# Allegro board 08_041351d.brd (continued)
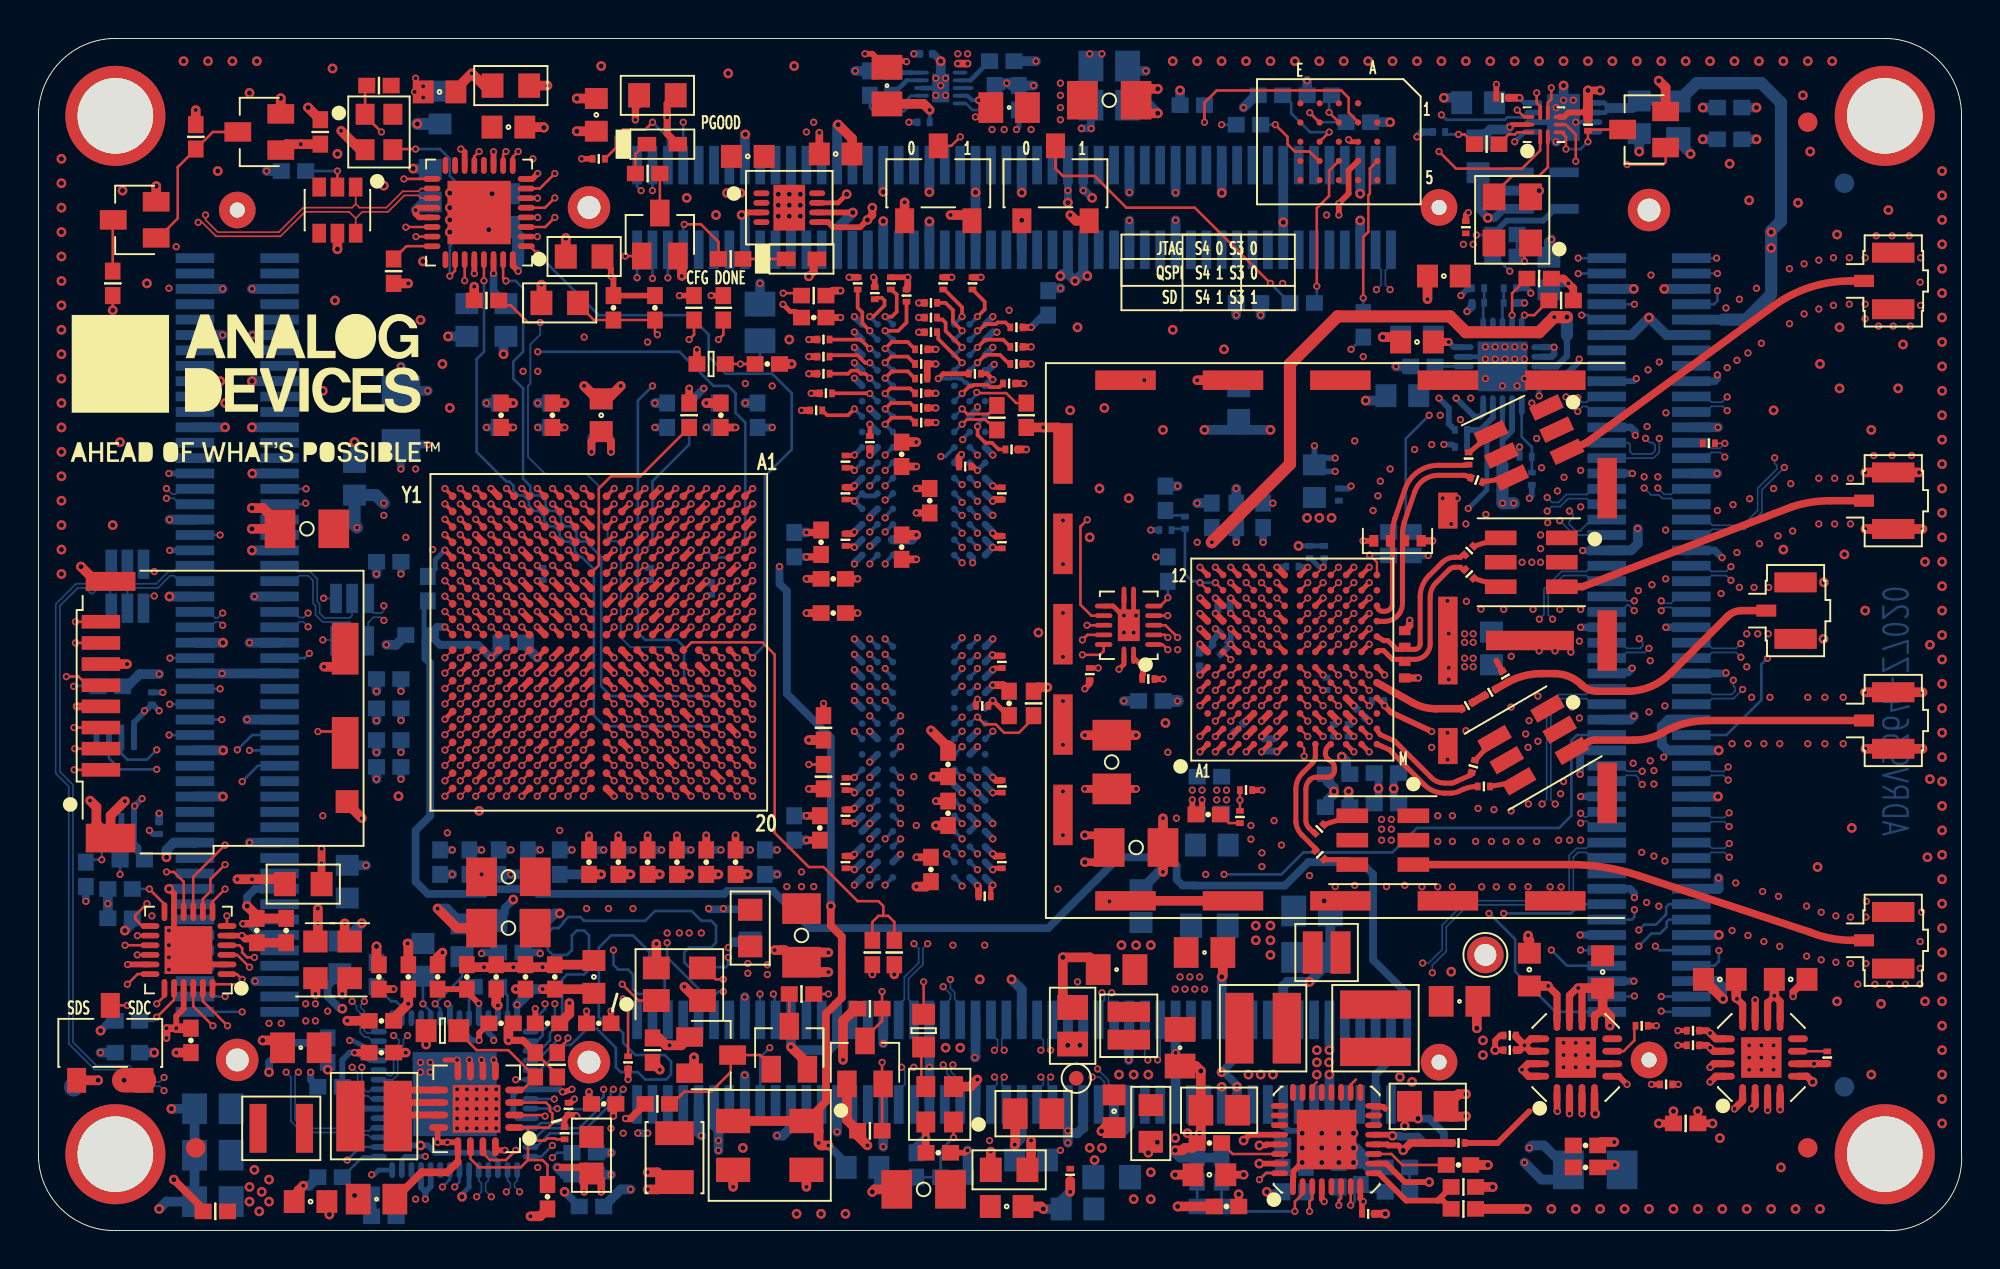
[diagram p0: board, top side]
## Placement (name value [footprint] x y rotation side) (continued)
NOREF  -  [unnamed]  8.18 4.3 0 top
NOREF#2  -  [unnamed]  92 4.3 0 top
NOREF#3  -  [#2]  0 4 0 top
NOREF#4  -  [unnamed]  92 57.64 0 top
NOREF#5  -  [#2]  4 3.97 90 top
NOREF#6  -  [#2]  53.14 82.28 0 top
NOREF#7  -  [#2]  4 61.99 0 top
NOREF#8  -  [#2]  4 0 0 top
NOREF#9  -  [#2]  4 3.97 0 top
NOREF#10  -  [#2]  4 3.97 90 top
NOREF#11  -  [#2]  4 3.97 0 top
NOREF#12  -  [#2]  96 0 90 top
NOREF#13  -  [unnamed#2]  96 3.97 0 top
NOREF#14  -  [#2]  99.19 60.41 0 top
NOREF#15  -  [#2]  4 3.97 0 top
NOREF#16  -  [#2]  4 3.97 0 top
NOREF#17  -  [#2]  4 3.97 90 top
NOREF#18  -  [unnamed]  4 3.97 0 top
NOREF#19  -  [#2]  0 58 0 top
NOREF#20  -  [#2]  11.29 43.8 0 top
NOREF#21  -  [unnamed#2]  4 57.97 0 top
NOREF#22  -  [#2]  -89.23 -241.57 0 top
NOREF#23  -  [#2]  -76.53 -228.87 0 top
NOREF#24  -  [#2]  226.11 149.71 0 top
NOREF#25  -  [#2]  99.99 4 0 top
NOREF#26  -  [unnamed#2]  96 57.97 0 top
NOREF#27  -  [#2]  27.05 168.46 0 top
NOREF#28  -  [#2]  157 -42.54 0 top
NOREF#29  -  [#2]  -76.66 -229 0 top
NOREF#30  -  [unnamed]  93.91 7.47 180 bottom
NOREF#31  -  [unnamed]  93.91 54.46 180 bottom
NOREF#32  -  [unnamed]  1.83 7.47 180 bottom
Q1  BSS138TA  [SOT23]  34.98 9.13 270 top
Q2  BSS138TA  [SOT23]  11.48 57.13 90 top
Q3  BSS138TA  [SOT23]  39.04 9.51 0 top
Q4  BSS138TA  [SOT23]  5.01 52.56 90 top
Q5  BSS138LT1G  [SOT23]  42.98 8.74 0 top
Q6  BSS138LT1G  [SOT23]  83.49 57.26 90 top
Q14  BSS138LT1G  [SOT23]  32.31 51.8 0 top
R1  10  [R0201]  75.49 27.99 210 top
R2  1  [R0201]  62.47 21.51 270 top
R3  0  [R0402]  24.56 14.46 0 bottom
R4  4.99K  [R0402]  4.24 17.76 0 bottom
R5  49.9  [R0201]  72.82 57.13 180 bottom
R6  0  [R0402]  50.09 60.81 180 bottom
R7  10K  [R0402]  43.23 5.19 0 top
R8  10K  [R0402]  43.23 11.54 0 top
R9  0  [R0402]  23.29 48.37 0 top
R10  27.4K  [R0402]  65.9 2.65 270 bottom
R11  4.99K  [R0402]  28.37 4.05 180 bottom
R12  0  [R0402]  15.17 2.78 0 bottom
R13  1K  [R0402]  31.93 9.38 270 top
R14  1K  [R0402]  14.66 57.13 90 top
R15  1K  [R0402]  32.18 6.59 0 top
R16  1K  [R0402]  8.18 56.88 270 top
R17  220  [R0402]  39.68 12.3 0 top
R18  220  [R0402]  3.86 49.26 270 top
R19  0  [R0402]  68.89 47.1 90 bottom
R20  4.75K  [R0402]  67.62 2.9 270 bottom
R22  10K  [R0201]  73.84 4.55 0 top
R23  10  [R0201]  69.14 0.87 180 top
R25  10K  [R0201]  72.7 4.55 0 bottom
R26  10K  [R0402]  40.82 26.14 270 top
R27  10K  [R0402]  17.71 59.54 0 top
R28  240  [R0402]  66.6 59.04 0 bottom
R29  30K  [R0402]  25.83 8.62 270 top
R31  20K  [R0201]  34.98 33.38 270 bottom
R32  20K  [R0201]  36.12 34.78 135 bottom
R33  10K  [R0201]  80.57 57.51 270 top
R34  15K  [R0402]  74.09 1.12 0 top
R35  18.7K  [R0402]  74.09 2.27 0 top
R36  20K  [R0402]  3.74 28.3 180 bottom
R37  10K  [R0402]  40.82 23.6 90 top
R38  44.2K  [R0402]  26.98 8.62 270 top
R39  46.4K  [R0402]  64.7 2.65 90 bottom
R40  10K  [R0402]  45.65 3.41 270 bottom
R41  10K  [R0402]  47.55 2.78 0 bottom
R42  4.7K  [R0402]  78.03 49.51 180 top
R43  10K  [R0201]  30.66 8.74 90 top
R44  4.7K  [R0402]  79.17 48.37 180 top
R45  23.2K  [R0402]  65.33 4.43 0 bottom
R46  10K  [R0402]  60.89 1.25 180 bottom
R47  10K  [R0402]  70.66 3.28 180 bottom
R48  19.6K  [R0603]  21.01 10.4 180 top
R49  1K  [R0402]  9.2 1 0 top
R50  4.99K  [R0402]  17.58 13.32 90 bottom
R53  1K  [R0201]  86.86 40.94 180 top
R54  301  [R0402]  76.25 50.65 0 bottom
R55  1K  [R0402]  76.25 51.8 0 bottom
R56  10K  [R0201]  29.14 55.73 0 top
R57  4.7K  [R0402]  2.47 18.52 90 bottom
R58  4.7K  [R0402]  4.88 19.29 180 bottom
R59  1K  [R0402]  58.73 34.4 90 bottom
R61  4.02K  [R0201]  73.97 41.64 0 bottom
R62  4.02K  [R0201]  73.97 40.75 180 bottom
R63  10K  [R0201]  76.51 48.24 180 bottom
R64  10K  [R0201]  76.51 49 0 bottom
R65  10K  [R0201]  74.86 48.24 0 bottom
R66  10K  [R0201]  74.86 49 180 bottom
R67  4.02K  [R0201]  77.65 39.1 90 bottom
R68  4.02K  [R0201]  77.33 40.24 180 bottom
R101  49.9  [R0201]  76.28 28.81 120 top
R109  4.99K  [R0402]  4.62 10.9 0 bottom
R111  10K  [R0201]  66.98 28.43 270 bottom
R113  130  [R0402]  31.68 54.97 0 top
R114  39  [R0603]  46.03 10.4 90 top
R116  20K  [R0402]  60 58.53 180 bottom
R119  20K  [R0402]  68.63 57.64 0 bottom
R120  20K  [R0402]  64.06 59.04 180 bottom
R121  20K  [R0402]  65.71 48.24 180 bottom
R122  20K  [R0402]  62.92 57.51 180 bottom
R123  1  [R0201]  59.62 36.81 90 bottom
R125  14.3K  [R0201]  69.65 27.54 0 bottom
R133  1K  [R0201]  43.49 48.75 90 top
R134  240  [R0402]  40.31 48.62 0 top
R135  240  [R0402]  33.83 42.4 90 bottom
R136  120  [R0201]  45.9 45.07 0 top
R137  120  [R0201]  46.41 47.48 180 top
R138  120  [R0201]  45.9 45.83 0 top
R139  120  [R0201]  40.82 45.45 180 top
R140  120  [R0201]  50.85 45.96 0 top
R141  120  [R0201]  40.82 46.34 180 top
R142  80.6  [R0402]  49.84 42.27 90 top
R143  120  [R0201]  50.85 46.97 0 top
R144  120  [R0201]  42.6 49.26 90 top
R145  120  [R0201]  48.57 49.26 90 top
R146  120  [R0201]  45.14 48.62 90 top
R147  120  [R0201]  50.47 44.05 0 top
R148  120  [R0201]  46.41 48.24 180 top
R149  120  [R0201]  46.41 46.72 180 top
R150  120  [R0201]  44.32 49.26 90 top
R151  120  [R0201]  47.04 49.26 90 top
R152  120  [R0201]  40.82 44.56 180 top
R153  120  [R0201]  50.85 45.07 0 top
R154  120  [R0201]  45.9 44.3 0 top
R155  120  [R0201]  45.9 43.54 0 top
R156  120  [R0201]  45.9 42.02 0 top
R159  120  [R0201]  45.9 42.78 0 top
R160  120  [R0201]  50.6 40.62 0 top
R161  0  [R0402]  49.71 58.91 270 bottom
R162  120  [R0201]  40.44 42.65 180 top
R163  120  [R0201]  40.95 43.54 180 top
R165  240  [R0402]  51.74 27.41 90 top
R166  240  [R0402]  51.36 42.4 270 top
R167  4.7K  [R0402]  34.09 47.99 270 top
R168  4.7K  [R0402]  35.61 47.99 270 top
R169  4.7K  [R0402]  33.83 42.4 90 top
R172  130  [R0402]  35.99 50.53 180 top
R175  39  [R0603]  22.4 53.07 90 bottom
R176  8.06K  [R0402]  18.47 49.89 270 top
R178  10K  [R0402]  13.26 55.1 0 bottom
R191  1K  [R0402]  44.5 14.46 270 top
R194  1K  [R0402]  43.36 14.46 90 top
R221  10K  [R0402]  44.38 59.67 270 bottom
R222  10K  [R0402]  43.23 59.67 270 bottom
R301  10  [R0201]  27.36 5.06 90 top
R304  10K  [R0201]  27.56 6.33 270 top
R306  10K  [R0201]  84.63 7.6 0 top
RXA  U.FL-R-SMT-1(01)  [CNHIROSE-U_FL-R-SMT-1]  96.45 26.52 270 top
RXB  U.FL-R-SMT-1(01)  [CNHIROSE-U_FL-R-SMT-1]  96.45 15.09 270 top
S1  CAS-120TB  [SWSML213W98H98]  3.74 9.76 0 top
S3  CAS-120TB  [SWSML213W98H98]  52.88 54.46 0 top
S4  CAS-120TB  [SWSML213W98H98]  46.79 54.46 0 top
SW1  7914J-1-000E  [SWSMSQ197H165]  38.03 4.43 180 top
T1  TCM1-63AX+  [TSML150W160H160]  77.73 25.25 300 top
T2  TCM1-63AX+  [TSML150W160H160]  77.62 34.75 270 top
T3  TCM1-63AX+  [TSML150W160H160]  69.9 20.3 270 top
T4  TCM1-63AX+  [TSML150W160H160]  77.51 40.98 295 top
TP2  TESTPAD  [TPSMC30]  53.96 7.92 0 top
TXA  U.FL-R-SMT-1(01)  [CNHIROSE-U_FL-R-SMT-1]  96.45 37.95 270 top
TXB  U.FL-R-SMT-1(01)  [CNHIROSE-U_FL-R-SMT-1]  96.45 49.38 270 top
TXM  U.FL-R-SMT-1(01)  [CNHIROSE-U_FL-R-SMT-1]  91.37 32.24 270 top
U1  XC7Z020-1CLG400I  [BGA400]  29.14 30.59 180 top
U2  MT41K256M16TW-107 IT:P  [FBGA96_C]  46.03 24.37 90 bottom
U3  MT41K256M16TW-107 IT:P  [FBGA96_C]  46.03 41.13 90 bottom
U4  ADP2114ACPZ  [QFN32_5X5_PAD3_1X3_1]  66.98 4.73 0 top
U5  ADG772BCPZ  [QFN10_1_6X1_3]  78.28 57.51 0 top
U6  ADP7102ACPZ-2.5  [QFN8_3X3_PAD2_44X1_7]  79.3 57.89 270 bottom
U7  ADM7160AUJZ-1.8  [TSOT-5]  78.16 54.08 90 bottom
U9  ADP7104ACPZ-3.3  [DFN8_3X3_PAD2_38X1_64]  39.04 53.19 270 top
U10  88E1512-56QFN  [QFN56_8X8_PAD4_37X4_37]  21.64 7.09 180 bottom
U11  TXS02612RTWR  [QFN24_4X4_PAD2_5X2_5]  7.8 14.59 90 top
U13  MT25QU256ABA8E12-1SIT  [TBGA24]  67.62 56.62 180 top
U14  TPS51206DSQR  [SON10_2X2_PAD1_5X0_9]  46.92 59.42 270 bottom
U15  USB3320C-EZK  [QFN32_5X5_PAD3_3X3_3]  22.91 52.94 90 top
U16  CDSOT23-SR208  [SOT23_6-2]  15.55 53.07 180 top
U17  AD9364BBCZ  [BGA144-2]  65.2 29.69 0 top
U18  ADP2164ACPZ  [QFN16_4X4_PAD2_5X2_5]  22.79 6.33 90 top
U19  ADP1754ACPZ-1.3  [QFN16_4X4_PAD2_1X2_1]  79.94 9 0 top
U20  ADP1754ACPZ-1.3  [QFN16_4X4_PAD2_1X2_1]  89.59 9 0 top
U21  TCA9517DGKR  [MSOP8]  3.99 23.35 180 bottom
U22  FXL4T245BQX  [DQFN14_3X2_5_PAD1_65X1_15]  56.69 31.48 90 top
U24  AD7291BCPZ  [QFN20_4X4_PAD2_6X2_6]  76.13 44.94 180 bottom
W1  WP45  [TPC75D45]  75.24 14.33 0 top
Y1  33.333MEGHZ  [YSML98W79H35]  46.86 6.57 90 top
Y2  25MEGHZ  [YSML126W98H39]  33.33 12.81 0 top
Y3  24MEGHZ  [YSML98W79H35]  17.71 57.13 270 top
Y4  40MEGHz  [YSML126W98H47]  76.63 52.56 90 top

## Library data of the parts
C1 C2 = CAP: Tolerance: 20; User Part Number: UPN; alternate symbols: (); part number: CAP_SM-100UF,6.3V,20,E016591,C1206H71; tolerance: 20; signal model: DEFAULT_CAPACITOR_100000pF_1_2
C3 = CAP: alternate symbols: (); part number: CAP_SM-4.7UF,6.3V,10,E020089,C0402; tolerance: 10; signal model: DEFAULT_CAPACITOR_100000pF_1_2
C4 C31 C33 C49 C50 C52 C63 C70 C74 C86 C87 C101 C106 C120 C121 C133 C140 C141 C159 C167 C169 C174 C175 C218 = CAP: alternate symbols: (); part number: CAP_SM-4.7UF,6.3V,10,E020089,C0402; tolerance: 10
C5 C152 = CAP: Tolerance: 10; User Part Number: UPN; alternate symbols: (); part number: CAP_SM-4.7UF,16V,10,E020112,C0603; tolerance: 10
C6 C93 C104 = CAP: alternate symbols: (); part number: CAP_SM-0.001UF,25V,10,E006762,C0201; tolerance: 10
C7 C35 C44 C46-C48 C51 C53 C72 C88 C89 C107 C108 C125 C143 C162 C163 C170 C171 C178 C179 C189 = CAP: alternate symbols: (); part number: CAP_SM-0.47UF,10V,10,E007611,C0402; tolerance: 10
C8 C9 C25 = CAP: alternate symbols: (); part number: CAP_SM-18PF,50V,5,E028398,C0201; tolerance: 5; signal model: DEFAULT_CAPACITOR_100000pF_1_2
C10 C11 C15-C20 C22 C23 = CAP: alternate symbols: (); part number: CAP_SM-0.47UF,10V,10,E007611,C0402; tolerance: 10; signal model: DEFAULT_CAPACITOR_100000pF_1_2
C12 = CAP: alternate symbols: (); part number: CAP_SM-1UF,6.3V,10,E011561,C0402; tolerance: 10; signal model: DEFAULT_CAPACITOR_100000pF_1_2
C13 C14 = CAP: alternate symbols: (); part number: CAP_SM-0.001UF,25V,10,E006762,C0201; tolerance: 10; signal model: DEFAULT_CAPACITOR_100000pF_1_2
C21 = CAP: Tolerance: 20; User Part Number: UPN; alternate symbols: (); part number: CAP_SM-10UF,6.3V,20,E007143,C0603; tolerance: 20; signal model: DEFAULT_CAPACITOR_100000pF_1_2
C24 = CAP: Tolerance: 20; User Part Number: UPN; alternate symbols: (); part number: CAP_SM-22UF,10V,20,E022680,C0603; tolerance: 20; signal model: DEFAULT_CAPACITOR_100000pF_1_2
C26 = CAP: alternate symbols: (); part number: CAP_SM-18PF,50V,5,E028398,C0201; tolerance: 5; signal model: DEFAULT_CAPACITOR_18.000000pF_1_2
C27-C29 C56 C100 C138 C151 C173 = CAP: Tolerance: 20; User Part Number: UPN; alternate symbols: (); part number: CAP_SM-100UF,6.3V,20,E016591,C1206H71; tolerance: 20
C30 C71 C145 = CAP: Tolerance: 20; User Part Number: UPN; alternate symbols: (); part number: CAP_SM-22UF,10V,20,E022680,C0603; tolerance: 20
C32 C34 C111 C126 = CAP: Tolerance: 10; User Part Number: UPN; alternate symbols: (); part number: CAP_SM-0.1UF,25V,10,E007204,C0603; tolerance: 10
C36 C58 C78 C181-C183 C199 C219 = CAP: Tolerance: 10; User Part Number: UPN; alternate symbols: (); part number: CAP_SM-1UF,16V,10,E020111,C0603; tolerance: 10
C37 C45 C137 C139 = CAP: Tolerance: 10; User Part Number: UPN; alternate symbols: (); part number: CAP_SM-10UF,16V,10,E006166,C0805H53; tolerance: 10
C38 C98 C124 C134 C147 C158 C191 C193-C198 C200 C210 C312 C313 C341 C342 C363 C365 = CAP: Tolerance: 20; User Part Number: UPN; alternate symbols: (); part number: CAP_SM-10UF,6.3V,20,E007143,C0603; tolerance: 20
C39 C42 C54 C55 C57 C73 C75 C190 C201 C203 C206 C208 C211 C212 C217 C224-C226 C242 = CAP: alternate symbols: (); part number: CAP_SM-0.1UF,16V,10,E018707,C0402; tolerance: 10
C40 C41 C214 = CAP: alternate symbols: (); part number: CAP_SM-0.1UF,16V,10,E018707,C0402; tolerance: 10; signal model: DEFAULT_CAPACITOR_100000pF_1_2
C43 C76 C77 C84 C102 C103 C122 C123 C311 C321 C322 C325 C326 C329 C330 C333 C334 C340 C355 C356 C360 = CAP: alternate symbols: (); part number: CAP_SM-0.01UF,10V,10,E007201,C0201; tolerance: 10
C59 C60 = CAP: Tolerance: 5; User Part Number: UPN; alternate symbols: (); part number: CAP_SM-27PF,50V,5,E000395,C0603; tolerance: 5
C61 = CAP: alternate symbols: (); part number: CAP_SM-0.1UF,16V,10,E027519,C0402; tolerance: 10
C62 R3 R6 R9 R12 R161 = RES: alternate symbols: (R0402L); part number: RES_SM-0,E010661,1/16W,1,R0402; tolerance: 1
C64 C65 = CAP: Tolerance: 20; User Part Number: UPN; alternate symbols: (); part number: CAP_SM-22UF,10V,20,E014683,C0805H60; tolerance: 20
C66 = CAP: Tolerance: 20; User Part Number: UPN; alternate symbols: (); part number: CAP_SM-47UF,10V,20,E022064,C0805H60; tolerance: 20
C67 = CAP: alternate symbols: (); part number: CAP_SM-150PF,50V,5,E012646,C0402; tolerance: 5
C68 = CAP: alternate symbols: (); part number: CAP_SM-180PF,50V,5,E033222,C0402; tolerance: 5
C69 = CAP: alternate symbols: C0402; part number: CAP_SM-5.6NF,50V,5,E033450,C0402H22; tolerance: 5
C79 C82 C83 = CAP: Tolerance: 20; User Part Number: UPN; alternate symbols: (); part number: CAP_SM-10UF,25V,20,E015584,C0805H60; tolerance: 20
C80 = CAP: alternate symbols: C0402; part number: CAP_SM-15NF,50V,10,E033451,C0402H22; tolerance: 10
C81 = CAP: Tolerance: 10; User Part Number: UPN; alternate symbols: (); part number: CAP_SM-0.22UF,16V,10,E000443,C0805; tolerance: 10
C85 C90 C99 C110 = CAP: alternate symbols: (); part number: CAP_SM-18PF,50V,5,E028398,C0201; tolerance: 5
C91 C92 C94-C97 C109 C112 C115-C118 = CAP: alternate symbols: (); part number: CAP_SM-0.1UF,16V,20,E017331,C0201; tolerance: 20
C105 C320 C323 C324 C327 C328 C331 C332 C335 C354 C357 C358 C361 = CAP: alternate symbols: (); part number: CAP_SM-1UF,6.3V,10,E011561,C0402; tolerance: 10
C113 C188 C243-C246 C314 C315 C319 C343 C344 C364 = CAP: alternate symbols: (); part number: CAP_SM-0.1UF,6.3V,10,E011567,C0201; tolerance: 10
C114 = CAP: alternate symbols: (); part number: CAP_SM-0.0033UF,50V,10,E007461,C0402; tolerance: 10
C119 C128-C132 C135 C136 C251 = CAP: Tolerance: 20; User Part Number: UPN; alternate symbols: (C0805L); part number: CAP_SM-47UF,6.3V,20,E008247,C0805H60; tolerance: 20
C127 = CAP: alternate symbols: (); part number: CAP_SM-56000PF,16V,0.1,E019786,C0402; tolerance: 0.1
C142 C144 = CAP: alternate symbols: (); part number: CAP_SM-0.047UF,25V,10,E025704,C0402; tolerance: 10
C146 = CAP: alternate symbols: (); part number: CAP_SM-1UF,10V,20,E017007,C0402; tolerance: 20
C148 C149 = CAP: alternate symbols: (); part number: CAP_SM-10UF,10V,20,E020928,C0402; tolerance: 20
C150 = CAP: Tolerance: 10; User Part Number: UPN; alternate symbols: (); part number: CAP_SM-0.047UF,50V,10,E018461,C0603; tolerance: 10
C165 C216 = CAP: alternate symbols: (); part number: CAP_SM-18PF,50V,5,E007476,C0402; tolerance: 5
C184 = CAP: Tolerance: 10; User Part Number: UPN; alternate symbols: (); part number: CAP_SM-1UF,16V,10,E020111,C0603; tolerance: 10; signal model: DEFAULT_CAPACITOR_100000pF_1_2
D3 D4 = DIOLED: Tolerance: N/A; User Part Number: UPN; alternate symbols: (); part number: DIOLED_SM-QTLP600C4TR,2.1V,N/A,E025710,LED0603; tolerance: N/A
E1 E12 = FERRITE: Tolerance: 25; User Part Number: UPN; alternate symbols: (); part number: FERRITE_SM-220OHM,25,E017491,L0805; tolerance: 25
E2-E9 E11 E14-E16 = FERRITE: Tolerance: 25; User Part Number: UPN; alternate symbols: (); part number: FERRITE_SM-100OHM,25,E012241,L0805; tolerance: 25
E10 = FERRITE: Tolerance: 25; User Part Number: UPN; alternate symbols: (); part number: FERRITE_SM-75OHM,25,E017348,L0402; tolerance: 25
J3 = CN9P_4GND: User Part Number: UPN; Tolerance: N/A; alternate symbols: (); part number: CN9P_4GND_SM-DM3CS-SF,E022379,CNHIROSEDM3CS-SF; tolerance: N/A
JP1-JP4 = NC3P_JMPR: Tolerance: N/A; User Part Number: UPN; alternate symbols: (); part number: NC3P_JMPR_SM-3PIN_SOLDER_JUMPER,E005606,JPRSLD03; tolerance: N/A
JX1-JX4 = CN100P_ODD_EVEN: User Part Number: UPN; Tolerance: N/A; alternate symbols: (); part number: CN100P_ODD_EVEN_SM-61082-101400LF,E022296,CNFCI61082-101400; tolerance: N/A
L1 L2 L8 L9 = IND: Tolerance: 5; User Part Number: UPN; alternate symbols: L0402L; part number: IND_SM-330NH,5,E028124,L0402; tolerance: 5
L3 L4 = IND: User Part Number: UPN; Tolerance: 20; alternate symbols: (); part number: IND_SM-1.5UH,20,E017267,LSMSQ157H83; tolerance: 20
L5 = IND: User Part Number: UPN; Tolerance: 20; alternate symbols: (); part number: IND_SM-1UH,20,E015845,LSMSQ157H83; tolerance: 20
L6 = IND: Tolerance: 20; User Part Number: UPN; alternate symbols: (); part number: IND_SM-150NH,20,E026966,L1008_A; tolerance: 20
L7 L10 = IND: User Part Number: UPN; Tolerance: 20; alternate symbols: (); part number: IND_SM-180NH,20,E026052,LSMSQ79H41; tolerance: 20
L12 = FERRITE: Tolerance: 25; User Part Number: UPN; alternate symbols: (); part number: FERRITE_SM-600OHMS,25,E007179,L0603; tolerance: 25
L302 = IND: User Part Number: UPN; Tolerance: 30; alternate symbols: (); part number: IND_SM-0.47UH,30,E018627,L1210H67; tolerance: 30
M1 = MODLT15CCC2243A: Tolerance: N/A; User Part Number: UPN; alternate symbols: (); part number: MODLT15CCC2243A_SM-LT15CCC2243A,E023383,MLT15CCC2243A; tolerance: N/A
Q1-Q4 = TRANBSS138: User Part Number: UPN; Tolerance: N/A; alternate symbols: (); part number: TRANBSS138_SM-BSS138TA,E004635,SOT23; tolerance: N/A
Q5 Q6 Q14 = TRANNMOSFET_V8: User Part Number: UPN; Tolerance: N/A; alternate symbols: (); part number: TRANNMOSFET_V8_SM-BSS138LT1G,E018770,SOT23; tolerance: N/A
R1 R23 R301 = RES: alternate symbols: (); part number: RES_SM-10,E013982,1/20W,1,R0201; tolerance: 1
R2 R123 = RES: alternate symbols: (); part number: RES_SM-1,E014056,1/20W,1,R0201
R4 = RES: alternate symbols: (R0402L); part number: RES_SM-4.99K,E006643,1/16W,1,R0402; tolerance: 1; signal model: DEFAULT_RESISTOR_0.001OHM_1_2
R5 R101 = RES: alternate symbols: (); part number: RES_SM-49.9,E007693,1/20W,1,R0201; tolerance: 1
R7 R26 R27 R37 R40 R41 R46 R47 R178 R221 R222 = RES: alternate symbols: (R0402L,R0402L_ALT); part number: RES_SM-10K,E003751,1/10W,1,R0402; tolerance: 1
R8 = RES: alternate symbols: (R0402L,R0402L_ALT); part number: RES_SM-10K,E003751,1/10W,1,R0402; tolerance: 1; signal model: DEFAULT_RESISTOR_0.001OHM_1_2
R10 = RES: alternate symbols: (R0402L); part number: RES_SM-27.4K,E021819,1/10W,1,R0402; tolerance: 1
R11 R50 R109 = RES: alternate symbols: (R0402L); part number: RES_SM-4.99K,E006643,1/16W,1,R0402; tolerance: 1
R13 R14 = RES: alternate symbols: (R0402L,R0402L_ALT); part number: RES_SM-1K,E003763,1/10W,1,R0402; tolerance: 1; signal model: DEFAULT_RESISTOR_100.000000OHM_1_2
R15 R49 R55 R59 R191 R194 = RES: alternate symbols: (R0402L,R0402L_ALT); part number: RES_SM-1K,E003763,1/10W,1,R0402; tolerance: 1
R16 = RES: alternate symbols: (R0402L,R0402L_ALT); part number: RES_SM-1K,E003763,1/10W,1,R0402; tolerance: 1; signal model: DEFAULT_RESISTOR_0.001OHM_1_2
R17 R18 = RES: alternate symbols: (R0402L); part number: RES_SM-220,E011432,1/16W,1,R0402; tolerance: 1
R19 = RES: alternate symbols: (R0402L,R0402L_ALT); part number: RES_SM-0,E003438,N/A,5,R0402; tolerance: 5
R20 = RES: alternate symbols: (R0402L); part number: RES_SM-4.75K,E006813,1/16W,1,R0402; tolerance: 1
R22 R25 R33 R43 R56 R63-R66 R111 R304 R306 = RES: alternate symbols: (); part number: RES_SM-10K,E004011,1/20W,1,R0201; tolerance: 1
R28 R134 R135 R165 R166 = RES: alternate symbols: (R0402L,R0402L_ALT); part number: RES_SM-240,E010877,1/16W,1,R0402; tolerance: 1
R29 = RES: alternate symbols: (R0402L); part number: RES_SM-30K,E017958,1/16W,1,R0402; tolerance: 1
R31 R32 = RES: alternate symbols: (); part number: RES_SM-20K,E004013,1/20W,1,R0201; tolerance: 1
R34 = RES: alternate symbols: (R0402L); part number: RES_SM-15K,E007441,1/16W,1,R0402; tolerance: 1
R35 = RES: alternate symbols: (R0402L); part number: RES_SM-18.7K,E010018,1/16W,1,R0402; tolerance: 1
R36 R116 R119-R122 = RES: alternate symbols: (R0402L,R0402L_ALT); part number: RES_SM-20K,E003791,1/16W,1,R0402; tolerance: 1
R38 = RES: alternate symbols: (R0402L); part number: RES_SM-44.2K,E023712,1/10W,1,R0402; tolerance: 1
R39 = RES: alternate symbols: (R0402L); part number: RES_SM-46.4K,E011115,1/16W,1,R0402; tolerance: 1
R42 R44 R57 R58 R167-R169 = RES: alternate symbols: (R0402L,R0402L_ALT); part number: RES_SM-4.7K,E008190,1/10W,1,R0402; tolerance: 1
R45 = RES: alternate symbols: (R0402L); part number: RES_SM-23.2K,E019517,1/16W,1,R0402; tolerance: 1
R48 = RES: Tolerance: 0.5; User Part Number: UPN; alternate symbols: (R0603L); part number: RES_SM-19.6K,E012200,1/16W,0.5,R0603; tolerance: 0.5
R53 R133 = RES: alternate symbols: (); part number: RES_SM-1K,E004010,1/20W,1,R0201; tolerance: 1
R54 = RES: alternate symbols: (R0402L); part number: RES_SM-301,E011195,1/16W,1,R0402; tolerance: 1
R61 R62 R67 R68 = RES: alternate symbols: (); part number: RES_SM-4.02K,E023201,1/20W,1,R0201; tolerance: 1
R113 R172 = RES: alternate symbols: (R0402L); part number: RES_SM-130,E003795,1/16W,1,R0402; tolerance: 1
R114 R175 = RES: Tolerance: 1; User Part Number: UPN; alternate symbols: (); part number: RES_SM-39,E004235,1/16W,1,R0603; tolerance: 1
R125 = RES: alternate symbols: (); part number: RES_SM-14.3K,E014068,1/20W,1,R0201; tolerance: 1
R136-R141 R143-R156 R159 R160 R162 R163 = RES: alternate symbols: (); part number: RES_SM-120,E011549,1/20W,1,R0201; tolerance: 1
R142 = RES: alternate symbols: (R0402L,R0402L_ALT); part number: RES_SM-80.6,E022369,1/16W,0.1,R0402; tolerance: 0.1
R176 = RES: alternate symbols: (R0402L); part number: RES_SM-8.06K,E021385,1/10W,1,R0402; tolerance: 1
RXA RXB TXA TXB TXM = CNBNC3P: Tolerance: N/A; User Part Number: UPN; alternate symbols: (); part number: CNBNC3P_SM-U.FL-R-SMT-1(01),E022198,CNHIROSE-U_FL-R-SMT-1; tolerance: N/A
S1 S3 S4 = SWSPDT_V2: Tolerance: N/A; User Part Number: UPN; alternate symbols: (); part number: SWSPDT_V2_SM-CAS-120TB,E012554,SWSML213W98H98; tolerance: N/A
SW1 = SWSPST4PIN_V2: User Part Number: UPN; Tolerance: N/A; alternate symbols: (); part number: SWSPST4PIN_V2_SM-7914J-1-000E,E011086,SWSMSQ197H165; tolerance: N/A
T1-T4 = XFMRTCMXXXX_V3: Tolerance: N/A; User Part Number: UPN; alternate symbols: (); part number: XFMRTCMXXXX_V3_SM-TCM1-63AX+,E018203,TSML150W160H160; tolerance: N/A
TP2 = NCTESTPAD: Tolerance: N/A; User Part Number: UPN; alternate symbols: (); part number: NCTESTPAD_SM-TESTPAD,E012884,TPSMC30; tolerance: N/A
U1 = ICXC7Z20: User Part Number: UPN; Tolerance: N/A; alternate symbols: (); part number: ICXC7Z20_SM-XC7Z020-1CLG400I,E025595,BGA400; tolerance: N/A
U2 U3 = ICMT41K256M16: User Part Number: UPN; Tolerance: N/A; alternate symbols: (); part number: ICMT41K256M16_SM-MT41K256M16TW-107 IT:P,E025601,FBGA96_C; tolerance: N/A
U4 = ADP2114: User Part Number: UPN; Tolerance: N/A; alternate symbols: (); part number: ADP2114_SM-ADP2114ACPZ,E008105,QFN32_5X5_PAD3_1X3_1; tolerance: N/A
U5 = ADG772: User Part Number: UPN; Tolerance: N/A; alternate symbols: (); part number: ADG772_SM-ADG772BCPZ,E010354,QFN10_1_6X1_3; tolerance: N/A
U6 = ADP7102: Tolerance: N/A; User Part Number: UPN; alternate symbols: (); part number: ADP7102_SM-ADP7102ACPZ-2.5,E021467,QFN8_3X3_PAD2_44X1_7; tolerance: N/A
U7 = ADM7160: User Part Number: UPN; Tolerance: N/A; alternate symbols: (); part number: ADM7160_SM-ADM7160AUJZ-1.8,E018469,TSOT-5; tolerance: N/A
U9 = ADP7104: Tolerance: N/A; User Part Number: UPN; alternate symbols: (); part number: ADP7104_SM-ADP7104ACPZ-3.3,E014912,DFN8_3X3_PAD2_38X1_64; tolerance: N/A
U10 = IC88E151X: User Part Number: UPN; Tolerance: N/A; alternate symbols: (); part number: IC88E151X_SM-88E1512-56QFN,E018914,QFN56_8X8_PAD4_37X4_37; tolerance: N/A
U11 = ICTXS02612RTW: User Part Number: UPN; Tolerance: N/A; alternate symbols: (); part number: ICTXS02612RTW_SM-TXS02612RTWR,E021332,QFN24_4X4_PAD2_5X2_5; tolerance: N/A
U13 = ICMT25Q: User Part Number: UPN; Tolerance: N/A; alternate symbols: (); part number: ICMT25Q_SM-MT25QU256ABA8E12-1SIT,E027529,TBGA24; tolerance: N/A
U14 = ICTPS51206: Tolerance: N/A; User Part Number: UPN; alternate symbols: (); part number: ICTPS51206_SM-TPS51206DSQR,E021346,SON10_2X2_PAD1_5X0_9; tolerance: N/A
U15 = ICUSB3320C: Tolerance: N/A; User Part Number: UPN; alternate symbols: (); part number: ICUSB3320C_SM-USB3320C-EZK,E021334,QFN32_5X5_PAD3_3X3_3; tolerance: N/A
U16 = DIO6P_V8: User Part Number: UPN; Tolerance: N/A; alternate symbols: (); part number: DIO6P_V8_SM-CDSOT23-SR208,20V,N/A,E021337,SOT23_6-2; tolerance: N/A
U17 = AD9364: alternate symbols: (); part number: AD9364_SM-AD9364BBCZ,E019869,BGA144-2; tolerance: N/A
U18 = ADP2164: Tolerance: N/A; User Part Number: UPN; alternate symbols: (); part number: ADP2164_SM-ADP2164ACPZ,E013699,QFN16_4X4_PAD2_5X2_5; tolerance: N/A
U19 U20 = ADP1754: Tolerance: N/A; User Part Number: UPN; alternate symbols: (); part number: ADP1754_SM-ADP1754ACPZ-1.3,E022696,QFN16_4X4_PAD2_1X2_1; tolerance: N/A
U21 = CMOSTCA9517: Tolerance: N/A; User Part Number: UPN; alternate symbols: (); part number: CMOSTCA9517_SM-TCA9517DGKR,E022173,MSOP8; tolerance: N/A
U22 = ICFXL4T245: Tolerance: N/A; User Part Number: UPN; alternate symbols: (); part number: ICFXL4T245_SM-FXL4T245BQX,E021654,DQFN14_3X2_5_PAD1_65X1_15; tolerance: N/A
U24 = AD7291: User Part Number: UPN; Tolerance: N/A; alternate symbols: (); part number: AD7291_SM-AD7291BCPZ,E017361,QFN20_4X4_PAD2_6X2_6; tolerance: N/A
W1 = NCWP: Tolerance: N/A; User Part Number: UPN; alternate symbols: (); part number: NCWP_TH-WP45,E002516,TPC75D45; tolerance: N/A
Y1 = XTALOSC4P_V7: Tolerance: N/A; User Part Number: UPN; alternate symbols: (); part number: XTALOSC4P_V7_SM-33.333MEGHZ,E024048,YSML98W79H35; tolerance: N/A
Y2 = XTAL4PIN_V3: Tolerance: +/-20PPM; User Part Number: UPN; alternate symbols: (); part number: XTAL4PIN_V3_SM-25MEGHZ,E023420,YSML126W98H39; tolerance: +/-20PPM
Y3 = XTALOSC4P_V7: Tolerance: N/A; User Part Number: UPN; alternate symbols: (); part number: XTALOSC4P_V7_SM-24MEGHZ,E022374,YSML98W79H35; tolerance: N/A
Y4 = XTALOSC4P_V21: Tolerance: N/A; User Part Number: UPN; alternate symbols: (); part number: XTALOSC4P_V21_SM-40MEGHZ,E020493,YSML126W98H47; tolerance: N/A

## Footprints (pads in the part's own frame, mm; a bottom-side part is the same pattern mirrored in y, then rotated)
BGA144-2
  round 0.356 smd: A1(-4.4,-4.4) A2(-4.4,-3.6) A3(-4.4,-2.8) A4(-4.4,-2) A5(-4.4,-1.2) A6(-4.4,-0.4) A7(-4.4,0.4) A8(-4.4,1.2) A9(-4.4,2) A10(-4.4,2.8) A11(-4.4,3.6) A12(-4.4,4.4) B1(-3.6,-4.4) B2(-3.6,-3.6) B3(-3.6,-2.8) B4(-3.6,-2) B5(-3.6,-1.2) B6(-3.6,-0.4) B7(-3.6,0.4) B8(-3.6,1.2) B9(-3.6,2) B10(-3.6,2.8) B11(-3.6,3.6) B12(-3.6,4.4) C1(-2.8,-4.4) C2(-2.8,-3.6) C3(-2.8,-2.8) C4(-2.8,-2) C5(-2.8,-1.2) C6(-2.8,-0.4) C7(-2.8,0.4) C8(-2.8,1.2) C9(-2.8,2) C10(-2.8,2.8) C11(-2.8,3.6) C12(-2.8,4.4) D1(-2,-4.4) D2(-2,-3.6) D3(-2,-2.8) D4(-2,-2) D5(-2,-1.2) D6(-2,-0.4) D7(-2,0.4) D8(-2,1.2) D9(-2,2) D10(-2,2.8) D11(-2,3.6) D12(-2,4.4) E1(-1.2,-4.4) E2(-1.2,-3.6) E3(-1.2,-2.8) E4(-1.2,-2) E5(-1.2,-1.2) E6(-1.2,-0.4) E7(-1.2,0.4) E8(-1.2,1.2) E9(-1.2,2) E10(-1.2,2.8) E11(-1.2,3.6) E12(-1.2,4.4) F1(-0.4,-4.4) F2(-0.4,-3.6) F3(-0.4,-2.8) F4(-0.4,-2) F5(-0.4,-1.2) F6(-0.4,-0.4) F7(-0.4,0.4) F8(-0.4,1.2) F9(-0.4,2) F10(-0.4,2.8) F11(-0.4,3.6) F12(-0.4,4.4) G1(0.4,-4.4) G2(0.4,-3.6) G3(0.4,-2.8) G4(0.4,-2) G5(0.4,-1.2) G6(0.4,-0.4) G7(0.4,0.4) G8(0.4,1.2) G9(0.4,2) G10(0.4,2.8) G11(0.4,3.6) G12(0.4,4.4) H1(1.2,-4.4) H2(1.2,-3.6) H3(1.2,-2.8) H4(1.2,-2) H5(1.2,-1.2) H6(1.2,-0.4) H7(1.2,0.4) H8(1.2,1.2) H9(1.2,2) H10(1.2,2.8) H11(1.2,3.6) H12(1.2,4.4) J1(2,-4.4) J2(2,-3.6) J3(2,-2.8) J4(2,-2) J5(2,-1.2) J6(2,-0.4) J7(2,0.4) J8(2,1.2) J9(2,2) J10(2,2.8) J11(2,3.6) J12(2,4.4) K1(2.8,-4.4) K2(2.8,-3.6) K3(2.8,-2.8) K4(2.8,-2) K5(2.8,-1.2) K6(2.8,-0.4) K7(2.8,0.4) K8(2.8,1.2) K9(2.8,2) K10(2.8,2.8) K11(2.8,3.6) K12(2.8,4.4) L1(3.6,-4.4) L2(3.6,-3.6) L3(3.6,-2.8) L4(3.6,-2) L5(3.6,-1.2) L6(3.6,-0.4) L7(3.6,0.4) L8(3.6,1.2) L9(3.6,2) L10(3.6,2.8) L11(3.6,3.6) L12(3.6,4.4) M1(4.4,-4.4) M2(4.4,-3.6) M3(4.4,-2.8) M4(4.4,-2) M5(4.4,-1.2) M6(4.4,-0.4) M7(4.4,0.4) M8(4.4,1.2) M9(4.4,2) M10(4.4,2.8) M11(4.4,3.6) M12(4.4,4.4)
BGA400
  round 0.406 smd: A1(-7.6,-7.6) A2(-7.6,-6.8) A3(-7.6,-6) A4(-7.6,-5.2) A5(-7.6,-4.4) A6(-7.6,-3.6) A7(-7.6,-2.8) A8(-7.6,-2) A9(-7.6,-1.2) A10(-7.6,-0.4) A11(-7.6,0.4) A12(-7.6,1.2) A13(-7.6,2) A14(-7.6,2.8) A15(-7.6,3.6) A16(-7.6,4.4) A17(-7.6,5.2) A18(-7.6,6) A19(-7.6,6.8) A20(-7.6,7.6) B1(-6.8,-7.6) B2(-6.8,-6.8) B3(-6.8,-6) B4(-6.8,-5.2) B5(-6.8,-4.4) B6(-6.8,-3.6) B7(-6.8,-2.8) B8(-6.8,-2) B9(-6.8,-1.2) B10(-6.8,-0.4) B11(-6.8,0.4) B12(-6.8,1.2) B13(-6.8,2) B14(-6.8,2.8) B15(-6.8,3.6) B16(-6.8,4.4) B17(-6.8,5.2) B18(-6.8,6) B19(-6.8,6.8) B20(-6.8,7.6) C1(-6,-7.6) C2(-6,-6.8) C3(-6,-6) C4(-6,-5.2) C5(-6,-4.4) C6(-6,-3.6) C7(-6,-2.8) C8(-6,-2) C9(-6,-1.2) C10(-6,-0.4) C11(-6,0.4) C12(-6,1.2) C13(-6,2) C14(-6,2.8) C15(-6,3.6) C16(-6,4.4) C17(-6,5.2) C18(-6,6) C19(-6,6.8) C20(-6,7.6) D1(-5.2,-7.6) D2(-5.2,-6.8) D3(-5.2,-6) D4(-5.2,-5.2) D5(-5.2,-4.4) D6(-5.2,-3.6) D7(-5.2,-2.8) D8(-5.2,-2) D9(-5.2,-1.2) D10(-5.2,-0.4) D11(-5.2,0.4) D12(-5.2,1.2) D13(-5.2,2) D14(-5.2,2.8) D15(-5.2,3.6) D16(-5.2,4.4) D17(-5.2,5.2) D18(-5.2,6) D19(-5.2,6.8) D20(-5.2,7.6) E1(-4.4,-7.6) E2(-4.4,-6.8) E3(-4.4,-6) E4(-4.4,-5.2) E5(-4.4,-4.4) E6(-4.4,-3.6) E7(-4.4,-2.8) E8(-4.4,-2) E9(-4.4,-1.2) E10(-4.4,-0.4) E11(-4.4,0.4) E12(-4.4,1.2) E13(-4.4,2) E14(-4.4,2.8) E15(-4.4,3.6) E16(-4.4,4.4) E17(-4.4,5.2) E18(-4.4,6) E19(-4.4,6.8) E20(-4.4,7.6) F1(-3.6,-7.6) F2(-3.6,-6.8) F3(-3.6,-6) F4(-3.6,-5.2) F5(-3.6,-4.4) F6(-3.6,-3.6) F7(-3.6,-2.8) F8(-3.6,-2) F9(-3.6,-1.2) F10(-3.6,-0.4) F11(-3.6,0.4) F12(-3.6,1.2) F13(-3.6,2) F14(-3.6,2.8) F15(-3.6,3.6) F16(-3.6,4.4) F17(-3.6,5.2) F18(-3.6,6) F19(-3.6,6.8) F20(-3.6,7.6) G1(-2.8,-7.6) G2(-2.8,-6.8) G3(-2.8,-6) G4(-2.8,-5.2) G5(-2.8,-4.4) G6(-2.8,-3.6) G7(-2.8,-2.8) G8(-2.8,-2) G9(-2.8,-1.2) G10(-2.8,-0.4) G11(-2.8,0.4) G12(-2.8,1.2) G13(-2.8,2) G14(-2.8,2.8) G15(-2.8,3.6) G16(-2.8,4.4) G17(-2.8,5.2) G18(-2.8,6) G19(-2.8,6.8) G20(-2.8,7.6) H1(-2,-7.6) H2(-2,-6.8) H3(-2,-6) H4(-2,-5.2) H5(-2,-4.4) H6(-2,-3.6) H7(-2,-2.8) H8(-2,-2) H9(-2,-1.2) H10(-2,-0.4) H11(-2,0.4) H12(-2,1.2) H13(-2,2) H14(-2,2.8) H15(-2,3.6) H16(-2,4.4) H17(-2,5.2) H18(-2,6) H19(-2,6.8) H20(-2,7.6) J1(-1.2,-7.6) J2(-1.2,-6.8) J3(-1.2,-6) J4(-1.2,-5.2) J5(-1.2,-4.4) J6(-1.2,-3.6) J7(-1.2,-2.8) J8(-1.2,-2) J9(-1.2,-1.2) J10(-1.2,-0.4) J11(-1.2,0.4) J12(-1.2,1.2) J13(-1.2,2) J14(-1.2,2.8) J15(-1.2,3.6) J16(-1.2,4.4) J17(-1.2,5.2) J18(-1.2,6) J19(-1.2,6.8) J20(-1.2,7.6) K1(-0.4,-7.6) K2(-0.4,-6.8) K3(-0.4,-6) K4(-0.4,-5.2) K5(-0.4,-4.4) K6(-0.4,-3.6) K7(-0.4,-2.8) K8(-0.4,-2) K9(-0.4,-1.2) K10(-0.4,-0.4) K11(-0.4,0.4) K12(-0.4,1.2) K13(-0.4,2) K14(-0.4,2.8) K15(-0.4,3.6) K16(-0.4,4.4) K17(-0.4,5.2) K18(-0.4,6) K19(-0.4,6.8) K20(-0.4,7.6) L1(0.4,-7.6) L2(0.4,-6.8) L3(0.4,-6) L4(0.4,-5.2) L5(0.4,-4.4) L6(0.4,-3.6) L7(0.4,-2.8) L8(0.4,-2) L9(0.4,-1.2) L10(0.4,-0.4) L11(0.4,0.4) L12(0.4,1.2) L13(0.4,2) L14(0.4,2.8) L15(0.4,3.6) L16(0.4,4.4) L17(0.4,5.2) L18(0.4,6) L19(0.4,6.8) L20(0.4,7.6) M1(1.2,-7.6) M2(1.2,-6.8) M3(1.2,-6) M4(1.2,-5.2) M5(1.2,-4.4) M6(1.2,-3.6) M7(1.2,-2.8) M8(1.2,-2) M9(1.2,-1.2) M10(1.2,-0.4) M11(1.2,0.4) M12(1.2,1.2) M13(1.2,2) M14(1.2,2.8) M15(1.2,3.6) M16(1.2,4.4) M17(1.2,5.2) M18(1.2,6) M19(1.2,6.8) M20(1.2,7.6) N1(2,-7.6) N2(2,-6.8) N3(2,-6) N4(2,-5.2) N5(2,-4.4) N6(2,-3.6) N7(2,-2.8) N8(2,-2) N9(2,-1.2) N10(2,-0.4) N11(2,0.4) N12(2,1.2) N13(2,2) N14(2,2.8) N15(2,3.6) N16(2,4.4) N17(2,5.2) N18(2,6) N19(2,6.8) N20(2,7.6) P1(2.8,-7.6) P2(2.8,-6.8) P3(2.8,-6) P4(2.8,-5.2) P5(2.8,-4.4) P6(2.8,-3.6) P7(2.8,-2.8) P8(2.8,-2) P9(2.8,-1.2) P10(2.8,-0.4) P11(2.8,0.4) P12(2.8,1.2) P13(2.8,2) P14(2.8,2.8) P15(2.8,3.6) P16(2.8,4.4) P17(2.8,5.2) P18(2.8,6) P19(2.8,6.8) P20(2.8,7.6) R1(3.6,-7.6) R2(3.6,-6.8) R3(3.6,-6) R4(3.6,-5.2) R5(3.6,-4.4) R6(3.6,-3.6) R7(3.6,-2.8) R8(3.6,-2) R9(3.6,-1.2) R10(3.6,-0.4) R11(3.6,0.4) R12(3.6,1.2) R13(3.6,2) R14(3.6,2.8) R15(3.6,3.6) R16(3.6,4.4) R17(3.6,5.2) R18(3.6,6) R19(3.6,6.8) R20(3.6,7.6) T1(4.4,-7.6) T2(4.4,-6.8) T3(4.4,-6) T4(4.4,-5.2) T5(4.4,-4.4) T6(4.4,-3.6) T7(4.4,-2.8) T8(4.4,-2) T9(4.4,-1.2) T10(4.4,-0.4) T11(4.4,0.4) T12(4.4,1.2) T13(4.4,2) T14(4.4,2.8) T15(4.4,3.6) T16(4.4,4.4) T17(4.4,5.2) T18(4.4,6) T19(4.4,6.8) T20(4.4,7.6) U1(5.2,-7.6) U2(5.2,-6.8) U3(5.2,-6) U4(5.2,-5.2) U5(5.2,-4.4) U6(5.2,-3.6) U7(5.2,-2.8) U8(5.2,-2) U9(5.2,-1.2) U10(5.2,-0.4) U11(5.2,0.4) U12(5.2,1.2) U13(5.2,2) U14(5.2,2.8) U15(5.2,3.6) U16(5.2,4.4) U17(5.2,5.2) U18(5.2,6) U19(5.2,6.8) U20(5.2,7.6) V1(6,-7.6) V2(6,-6.8) V3(6,-6) V4(6,-5.2) V5(6,-4.4) V6(6,-3.6) V7(6,-2.8) V8(6,-2) V9(6,-1.2) V10(6,-0.4) V11(6,0.4) V12(6,1.2) V13(6,2) V14(6,2.8) V15(6,3.6) V16(6,4.4) V17(6,5.2) V18(6,6) V19(6,6.8) V20(6,7.6) W1(6.8,-7.6) W2(6.8,-6.8) W3(6.8,-6) W4(6.8,-5.2) W5(6.8,-4.4) W6(6.8,-3.6) W7(6.8,-2.8) W8(6.8,-2) W9(6.8,-1.2) W10(6.8,-0.4) W11(6.8,0.4) W12(6.8,1.2) W13(6.8,2) W14(6.8,2.8) W15(6.8,3.6) W16(6.8,4.4) W17(6.8,5.2) W18(6.8,6) W19(6.8,6.8) W20(6.8,7.6) Y1(7.6,-7.6) Y2(7.6,-6.8) Y3(7.6,-6) Y4(7.6,-5.2) Y5(7.6,-4.4) Y6(7.6,-3.6) Y7(7.6,-2.8) Y8(7.6,-2) Y9(7.6,-1.2) Y10(7.6,-0.4) Y11(7.6,0.4) Y12(7.6,1.2) Y13(7.6,2) Y14(7.6,2.8) Y15(7.6,3.6) Y16(7.6,4.4) Y17(7.6,5.2) Y18(7.6,6) Y19(7.6,6.8) Y20(7.6,7.6)
